# Altium PCB PCB.PcbDoc (continued)
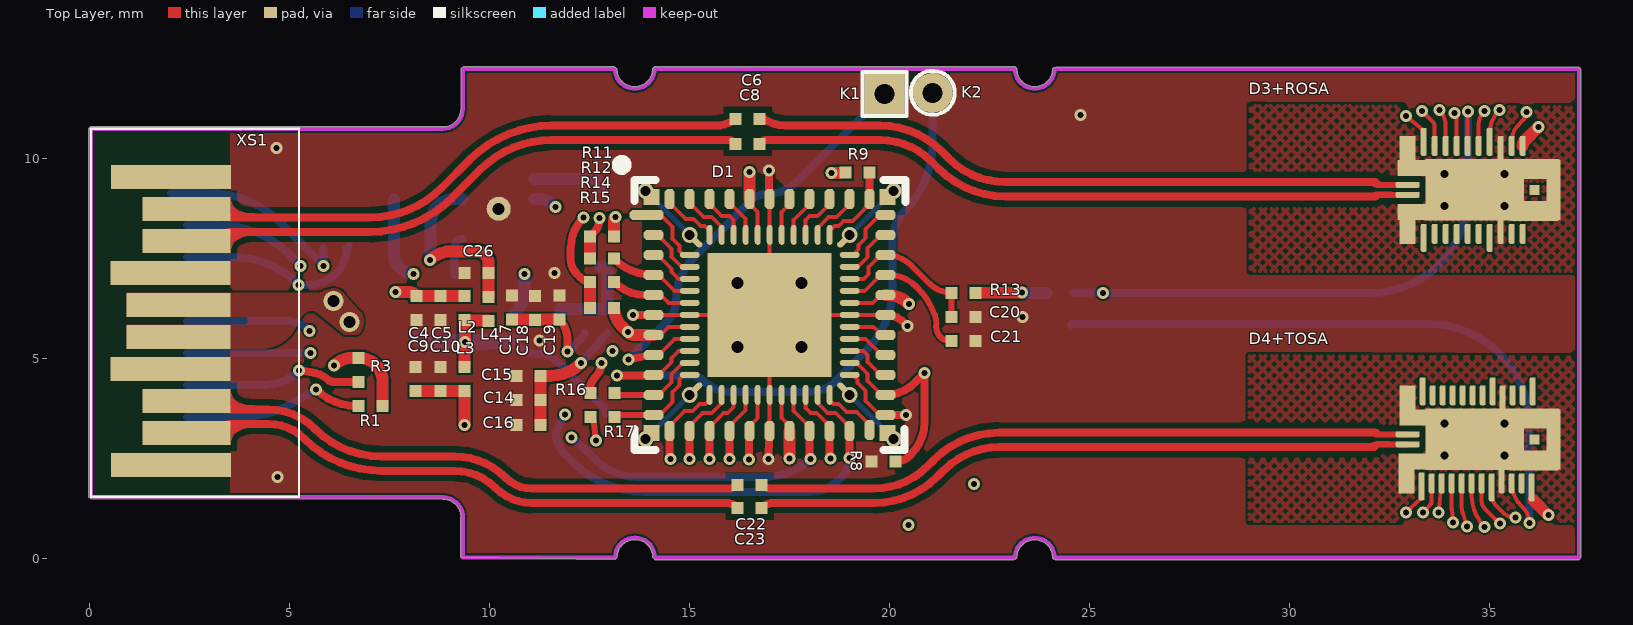
[diagram p0: Top Layer view]
## Footprints (in the part's own frame and the unit in brackets; to place one, negate y for a bottom-side part, rotate by r counter-clockwise, add the part's x,y. Pads: shape width x height; smd on the part's side, far side on the other; paste and mask are expansions set on the pad) (continued)
  rrect50% 0.15x0.9 smd paste-2539.97: 18(0.675,-0.9) 33(0.7,0.9)
  rect 1.2x0.5 smd paste-2539.97: 22(1.5,-0.525) 29(1.525,0.525)
  body extent -1.23,-0.77 1.2,0.77, height 0.15
"IND: 0201" [mm]
  rect 0.3x0.3 smd: 1(-0.3,0) 2(0.3,0)
  body extent -0.3,-0.15 0.3,0.15, height 0.3
"IND: 0805" [mm]
  rect 1x1.25 smd: 1(-1,0) 2(1,0)
  silkscreen extent -1.7,-0.82 1.7,0.82, body extent -1,-0.62 1,0.63, height 0.85
"RES: 0201" [mm]
  rect 0.3x0.3 smd: 1(-0.3,0) 2(0.3,0)
  body extent -0.3,-0.15 0.3,0.15, height 0.22
"RES: 0402" [mm]
  rect 0.5x0.5 smd: 1(-0.45,0) 2(0.45,0)
  silkscreen extent 0,-0.2 0,0.2, body extent -0.52,-0.25 0.48,0.25, height 0.34
SOT23 [mm]
  rect 1.1x0.6 smd: 1(-1.2,0.95) 2(-1.2,-0.95) 3(1.2,0)
  round 0.5 on Mech1: ""(-0.9,1.1)
  silkscreen extent -1.32,-1.5 0.7,1.92, body extent -1.32,-1.52 1.32,1.52, height 1.12

## Part data
C1 C2 C4 C7 C9 C12 C13 C16 C19 C21: library part "CAP: 4.7 Cer 0201", "4,7μF X5R 6.3V", Manufacturer=Murata, Package=0201, PartNumber=GRM035R60J475ME15J, Temperature=-55...+85°C, Tolerance=±20%, TypeCapacitor="Ceramic capacitor", TypeDielectric=X5R, Voltage="6.3 VDC", HelpURL=https://ru.mouser.com/ProductDetail/Murata-Electronics/GRM035R60J475ME15J?qs=sGAEpiMZZMs0AnBnWHyRQN7%2FAA2D2lPP6sQPxJRN5zWu2rTrhOvC8g%3D%3D, Price 500=$0.262
  C1 C2 C4 C9 C12 C13 C16 C19 C21: ValueManufacturerPartNumber="Ceramic capacitor, 4,7μF, X5R, ±20%, 6.3 VDC, 0201, -55...+85°C"
  C7: ValueManufacturerPartNumber="Ceramic capacitor, 4,7μF NC, X5R, ±20%, 6.3 VDC, 0201, -55...+85°C"
C3 C5 C6 C8 C10 C11 C15 C18 C20 C22 C23: library part "CAP: 0.1 Cer 0201", "0.1μF X7R 16V", Manufacturer="Murata Electronics", Package=0201, PartNumber=GRM033Z71C104ME14D, Temperature=-55...+125°C, Tolerance=±20%, TypeCapacitor="Ceramic capacitor", TypeDielectric=X7R, Voltage=16V, HelpURL=https://ru.mouser.com/ProductDetail/Murata-Electronics/GRM033Z71C104ME14D?qs=sGAEpiMZZMs0AnBnWHyRQB9G40cLJQs4vBUU3ruDkJ1DJi7pR4wF4g%3D%3D, Price1000=$0.017, ValueManufacturerPartNumber="Ceramic capacitor, 0.1μF, X7R, ±20%, 16V, 0201, -55...+125°C"
C14 C17: library part "CAP: 1000 Cer 0201", "1nF X7R 25V", Manufacturer=Yageo, Package=0201, PartNumber=CC0201KRX7R8BB102, Temperature=-55...+125°C, Tolerance=±10%, TypeCapacitor="Ceramic capacitor", TypeDielectric=X7R, Voltage=25V, HelpURL=https://ru.mouser.com/ProductDetail/Yageo/CC0201KRX7R7BB103?qs=Jp%252B3Pqv7Js285%252ByjXsg3lQ%3D%3D, Price1000=$0.01, ValueManufacturerPartNumber="Ceramic capacitor, 1nF, X7R, ±10%, 25V, 0201, -55...+125°C"
C24: library part "CAP: 560 Cer 0201", "560pF X7R 16V", Manufacturer=Yageo, Package=0201, PartNumber=CC0201KRX7R9BB561, Temperature=-55...+125°C, Tolerance=±10%, TypeCapacitor="Ceramic capacitor", TypeDielectric=X7R, Voltage=50V, HelpURL=https://ru.mouser.com/ProductDetail/YAGEO/CC0201KRX7R9BB561?qs=r5DSvlrkXmJYNk3WPluXZA%3D%3D, Price1000=$0.011, ValueManufacturerPartNumber="Ceramic capacitor, 560pF, X7R, ±10%, 50V, 0201, -55...+125°C"
C25 C26: library part "CAP: 1 Cer 0201", "1μF X6S 6.3V", Manufacturer=Murata, Package=0201, PartNumber=GRM033C80J105ME05D, Temperature=-55...+105°C, Tolerance=±20%, TypeCapacitor="Ceramic capacitor", TypeDielectric=X6S, Voltage="6.3 VDC", HelpURL=https://www.mouser.com/ProductDetail/Murata-Electronics/GRM033C80J105ME05D?qs=P8zzrVhehaso8Xg5mhsu3Q%3D%3D, Price 500=$0.068, ValueManufacturerPartNumber="Ceramic capacitor, 1μF, X6S, ±20%, 6.3 VDC, 0201, -55...+105°C"
D1: library part "MCU: K1921VK035", "100 MHz 64 kB flash 16 kB RAM  QFP-48(МК 5162.48-1) DIE case. (LM4F132) 32bit RISC Microcontroller,ARM Cortex M4F", Manufacturer_Name="Silicon Labs", Manufacturer_Part_Number=EFM8UB20F64G-B-QFP48R, Mouser Part Number=634-EFM8UB64GBQFP48R, Package="QFP48 7x7)", RS Part Number=8232148P, Datasheet Link=http://www.silabs.com/documents/public/data-sheets/C8051F39x-37x.pdf, Geometry.Height=0.8mm, Mouser Price/Stock=https://www.mouser.com/Search/Refine.aspx?Keyword=634-C8051F390-A-GM, RS Price/Stock=http://uk.rs-online.com/web/p/products/8232148P
D2: library part "IC: MIC23050-GYML", "PWM Buck Regulator"
D3+ROSA: library part "IC: MATA37644", "28 Gb/s DIA CDR with TIA/LA Integrated"
D4+TOSA: library part "IC: MALD37645", "28 Gb/s DIA VCSEL driver/CDR with input Equalizer"
K1: library part "CON: TP Square", Price=0.01
K2: library part "CON: TP round", Price=0.01
L1 L2 L3 L4 L5 L6: library part "IND: FB_220R 0201", "FB 220R 800ma", Manufacturer_Name="Murata Electronics", Manufacturer_Part_Number=BLF03VK221SNGD, Max DC Current="800 mA", Max DC Resistance="155 mOhms", Mouser Part Number=81-BLF03VK221SNGD, Package="0201 (0603 metric)", Tolerance="40 %", Datasheet Link=https://www.murata.com/en-us/products/productdetail?partno=BLF03VK221SNG%23, Height=0.33mm, Impedance="220 Ohms", Mouser Price/Stock=$0.069, Part Number=BLF03VK221SNGD
L7: library part "IND: fix-0805 1μH", "1μH (2012 metric) 1.4A Murata Fixed inductor", Manufacturer="Murata Electronics", MaxCurrent="1.4 A", Package=0805, PartNumber=LQM2MPN1R0NG0L, Temperature=-55...+125°C, Tolerance=±30%, TypeInductor="Fixed inductor", HelpURL=https://ru.mouser.com/ProductDetail/Murata-Electronics/LQM2MPN1R0NG0L?qs=%2Fha2pyFaduilj0%252BF1FHGFSHTr62aWyjVPXVGskzQNK4bMrXKRvO5hg%3D%3D, Max impedans DC="107 mOhm", ValueManufacturerPartNumber="Fixed inductor, 1μH, ±30%, 0805, 1.4 A, -55...+125°C"
R1 R3 R6 R9 R10 R11 R13 R15: library part "RES: 10K 1% 0201", "10K 1% 25V", Manufacturer=Yageo, Package=0201, PartNumber=RC0201FR-0710KL, Power=0.05W, Temperature=-55...+125°C, Tolerance=±1%, TypeResistor="Resistor film", HelpURL=https://ru.mouser.com/ProductDetail/YAGEO/RC0201FR-0710KL?qs=FLc6udek5PS1AiJCgpc6bQ%3D%3D
  R1 R3 R6 R9 R11 R13 R15: ValueManufacturerPartNumber="Resistor film, 10K, ±1%, 0201, 0.05W, -55...+125°C"
  R10: ValueManufacturerPartNumber="Resistor film, 8,06К, ±1%, 0201, 0.05W, -55...+125°C"
R2: library part "RES: 220K 1% 0201", "220K 1% 25V", Manufacturer=Yageo, Package=0201, PartNumber=RC0201FR-07220KL, Power=0.05W, Temperature=-55...+125°C, Tolerance=±1%, TypeResistor="Resistor film", HelpURL=https://www.mouser.com/ProductDetail/YAGEO/RC0201FR-07220KL?qs=%2Fha2pyFadugkEjqHygX%252Ba4doELbpMYzKOlQ%252BgaErD1WAP5TlGyL%252BEw%3D%3D, ValueManufacturerPartNumber="Resistor film, 220K NC, ±1%, 0201, 0.05W, -55...+125°C"
R4 R7: library part "RES: 27K 1% 0201", "27K 1% 25V", Manufacturer=Yageo, Package=0201, PartNumber=RC0201FR-1327KL, Power=0.05W, Temperature=-55...+125°C, Tolerance=±1%, TypeResistor="Resistor film", HelpURL=https://www.digikey.com/product-detail/en/yageo/RC0201JR-07100RL/311-100NCT-ND/1949006, ValueManufacturerPartNumber="Resistor film, 30K, ±1%, 0201, 0.05W, -55...+125°C"
R5: library part "RES: 0402 0R", "0 Ohm 50V 5%", Manufacturer=Yageo, Package=0402, PartNumber=RC0402JR-070RL, Power=0.063W, Temperature=-55...+125°C, Tolerance=±5%, TypeResistor="Resistor film", HelpURL=https://ru.mouser.com/ProductDetail/YAGEO/RC0402JR-070RL?qs=%2Fha2pyFadugNN0LzwXn2qP7HsQ9BBU71VWxeSOFlFaYv9aVJHghTrg%3D%3D, ValueManufacturerPartNumber="Resistor film, 0R, ±5%, 0402, 0.063W, -55...+125°C"
R8: library part "RES: 1K 1% 0201", "1K 1% 25V", Manufacturer=Yageo, Package=0201, PartNumber=RC0201FR-071KL, Power=0.05W, Temperature=-55...+125°C, Tolerance=±1%, TypeResistor="Resistor film", HelpURL=https://ru.mouser.com/ProductDetail/YAGEO/RC0201JR-071KL?qs=V1yeUXFNrklkaJ2L0z8I%252BA%3D%3D, ValueManufacturerPartNumber="Resistor film, 1K, ±1%, 0201, 0.05W, -55...+125°C"
R12 R14 R16 R17: library part "RES: 100R 0201", "100 Ohm 25V", Manufacturer=Yageo, Package=0201, PartNumber=RC0201JR-07100RL, Power=0.05W, Temperature=-55...+125°C, Tolerance=±5%, TypeResistor="Resistor film", HelpURL=https://www.digikey.com/product-detail/en/yageo/RC0201JR-07100RL/311-100NCT-ND/1949006, ValueManufacturerPartNumber="Resistor film, 100R, ±5%, 0201, 0.05W, -55...+125°C"
VT1: library part "TRANSISTOR: CT2301-R3", "MOSFET 1 P-ch VDSS=-20V 3A 0.1Ohm", DC current=3A, Low ON-resistance:RDS(ON)="85 mOhms", Manufacturer_Name="CT Micro", Datasheet Link=https://semiconductors.es/datasheet-pdf/1435125/CT2301-R3.html, Height=0.75mm
XS1: library part "CON: SFP+", "SFP MSA pluggable connector"

## Via types
v1: diameter 0.3, hole 0.15, Top Layer to Bottom Layer, tented both sides, 75 vias
v2: diameter 0.5, hole 0.3, Top Layer to Bottom Layer, tented both sides, 2 vias

## Nets (pads, with @x,y where several pads share a name; then routed paths per layer and width w, separated by ;. In a path a pad name is that pad's centre, name@x,y a point inside that pad or via, vN(x,y) a via of type N, cw(c..) or ccw(c..) an arc to the next point about the centre after c; other vN are vias at no path point)
GND: C1.1 C2.1 C3.1 C4.1 C5.1 C9.1 C10.1 C11.2 C12.2 C13.1 C14.1 C15.1 C16.2 C17.1 C18.1 C19.2 C20.2 C21.1 C25.2 C26.2 D1.0 D1.6 D1.18 D1.25 D1.30 D1.36 D1.42 D2.0 D2.6 D2.8 D3+ROSA.0@33.875,8.825 D3+ROSA.0@33.875,9.625 D3+ROSA.0@34.625,9.225 D3+ROSA.0@35.375,8.825 D3+ROSA.0@35.375,9.625 D3+ROSA.0@36.6,9.225 D3+ROSA.3 D3+ROSA.6 D3+ROSA.9 D3+ROSA.18 D3+ROSA.21 D3+ROSA.28 D3+ROSA.31 D3+ROSA.40 D4+TOSA.0@33.875,2.586 D4+TOSA.0@33.875,3.386 D4+TOSA.0@34.625,2.986 D4+TOSA.0@35.375,2.586 D4+TOSA.0@35.375,3.386 D4+TOSA.0@36.6,2.986 D4+TOSA.3 D4+TOSA.6 D4+TOSA.9 D4+TOSA.18 D4+TOSA.22 D4+TOSA.29 D4+TOSA.33 D4+TOSA.42 R2.2 R4.2 R7.2 R8.1 R10.1 XS1.1 XS1.6 XS1.10 XS1.11 XS1.14 XS1.17 XS1.20 | length 3.1
  Top Layer w0.2: v1(13.585,6.091) 13.95,6.091 D1.6@14.1,6.096 ; v1(16.975,2.499) 16.979,3.046 D1.18@17,3.196 ; v1(16.985,9.703) 16.985,9.146 D1.42@17,8.996 ; D1.25@19.9,3.596 20.05,3.597 v1(20.404,3.597) ; D1.30@19.9,6.096 cw(c19.9,5.455) 20.353,5.908 v1(20.44,5.821)
  other v1: 4.7,2.05 11.245,5.454 23.325,6.05 11.625,7.15 4.675,10.275 24.775,11.1
IC_RS0: D1.16 D3+ROSA.33 | length 25.6
  Top Layer w0.1: D3+ROSA.33 34.725,10.856 cw(c35.196,10.856) v1(34.863,11.189)
  Top Layer w0.2: v1(15.991,2.495) 15.991,3.046 D1.16@16,3.196
  Signal Layer 1 w0.2: v1(15.991,2.495) 20.65,7.125 cw(c21.797,5.978) 21.797,7.6 33.737,7.6 ccw(c33.738,8.62) 34.459,7.899 ccw(c33.502,8.866) 34.46,7.9 ccw(c33.502,8.866) 34.863,8.866 v1(34.863,11.189)
IC_RS1: D1.17 D4+TOSA.15 | length 21
  Top Layer w0.1: D4+TOSA.15 34.55,1.57 ccw(c35.644,1.57) v1(34.87,0.797)
  Top Layer w0.2: v1(16.486,2.487) 16.486,3.046 D1.17@16.5,3.196
  Signal Layer 1 w0.2: v1(16.486,2.487) 16.674,2.3 ccw(c16.975,2.601) 16.975,2.175 17.103,2.175 cw(c17.103,1.578) 17.525,2 ccw(c18.607,3.082) 18.607,1.552 18.95,1.552 34.115,1.552 cw(c34.115,0.797) v1(34.87,0.797)
IC_SCL: D3+ROSA.38 D4+TOSA.11 R11.2 R12.1 | length 35
  Top Layer w0.1: v1(33.307,11.195) 33.555,10.947 33.581,10.921 cw(c33.475,10.815) 33.625,10.815 D3+ROSA.38 ; v1(33.334,1.151) 33.524,1.363 ccw(c33.45,1.43) 33.55,1.43 D4+TOSA.11
  Top Layer w0.2: R11.2 12.591,8.141 ccw(c12.206,8.525) v1(12.75,8.525)
  Top Layer w0.3: R12.1 12.509,7.507 R11.2
  Signal Layer 1 w0.2: v1(12.75,8.525) cw(c13.414,8.525) 12.944,8.994 13.281,9.331 cw(c15.077,7.535) 15.077,10.075 32.17,10.075 ccw(c32.17,11.355) 33.075,10.45 ccw(c32.514,11.011) 33.307,11.011 v1(33.307,11.195)
  Signal Layer 2 w0.2: v1(33.307,11.195) 33.307,10.498 cw(c33.027,10.498) 33.225,10.3 ccw(c33.889,9.636) 32.95,9.636 32.95,2.583 ccw(c33.633,2.583) 33.15,2.1 cw(c32.706,1.656) 33.332,1.701 cw(c32.706,1.656) 33.332,1.699 cw(c33.133,1.686) 33.333,1.686 v1(33.334,1.151)
IC_SDA: D3+ROSA.37 D4+TOSA.12 R14.1 R15.2 | length 38.7
  Top Layer w0.1: v1(33.716,1.151) 33.775,1.686 D4+TOSA.12 ; v1(33.738,11.214) cw(c33.347,10.823) 33.9,10.823 D3+ROSA.37
  Top Layer w0.2: v1(12.339,8.525) ccw(c13.098,7.766) 12.025,7.766 12.025,7.487 ccw(c12.537,7.487) 12.175,7.125 12.294,7.006 ccw(c12.509,7.221) R14.1
  Top Layer w0.3: R15.2 R14.1
  Signal Layer 1 w0.2: v1(12.339,8.525) 12.339,8.283 ccw(c13.058,8.283) 12.55,7.775 ccw(c13.938,9.163) 13.938,7.2 15.251,7.2 ccw(c15.251,8.526) 16.188,7.588 16.775,8.175 cw(c17.998,6.953) 17.998,8.682 31.632,8.682 ccw(c31.632,10.793) 33.125,9.3 ccw(c31.645,10.78) 33.738,10.78 v1(33.738,11.214)
  Signal Layer 2 w0.2: v1(33.716,1.151) 33.716,1.825 ccw(c33.15,1.825) 33.55,2.225 cw(c33.912,2.587) 33.4,2.587 33.4,9.798 cw(c33.827,9.798) 33.525,10.1 ccw(c33.011,10.614) 33.738,10.614 v1(33.738,11.214)
NetC7_1: C7.1 R2.1 VT1.1
NetC13_2: C13.2 L1.1 L2.1 L3.1 L4.1 R5.1 VT1.3 | length 7.2
  Top Layer w0.3: L3.1 v1(9.376,5.419) L2.1 ccw(c9.493,6.251) 9.493,5.951 L4.1
  Bottom Layer w0.2: L1.1 10.706,5.319 ccw(c11.175,5.789) 11.175,5.125 cw(c11.175,4.34) 11.73,4.895 12.848,3.777 cw(c12.705,3.633) VT1.3
  Bottom Layer w0.4: R5.1 ccw(c8.48,5.78) 8.48,5.419 v1(9.376,5.419) 9.901,5.419 ccw(c9.901,5.524) C13.2 L1.1
NetC14_2: C14.2 C15.2 C16.1 D3+ROSA.32 D3+ROSA.39 L5.2 | length 31.9
  Top Layer w0.1: v1(32.906,11.067) 33.325,10.725 D3+ROSA.39 ; D3+ROSA.32 35,10.639 cw(c35.813,10.639) v1(35.238,11.214)
  Top Layer w0.3: C16.1 C14.2 C15.2 11.524,4.575 ccw(c11.524,5.643) v1(12.279,4.888)
  Signal Layer 2 w0.2: v1(12.279,4.888) cw(c13.132,4.888) 12.529,5.491 13.504,6.466 cw(c14.25,5.72) 14.25,6.775 ccw(c14.25,7.895) 15.041,7.102 ; 15.042,7.103 cw(c16.242,5.903) 16.242,7.6 25.523,7.6 ccw(c25.523,10.14) 27.319,8.344 30.55,11.575 cw(c30.791,11.334) 30.791,11.675 32.203,11.675 ; v1(32.906,11.067) ccw(c32.54,11.067) 32.799,11.326 32.625,11.5 ccw(c32.203,11.078) 32.203,11.675 ; v1(35.238,11.214) ccw(c34.881,11.214) 35.133,11.467 35.075,11.525 ccw(c34.713,11.163) 34.713,11.675 32.203,11.675
  Bottom Layer w0.2: v1(12.279,4.888) 12.9,5.6 L5.2
NetC17_2: C17.2 C18.2 C19.1 D4+TOSA.10 D4+TOSA.17 L6.2 | length 33.8
  Top Layer w0.1: v1(32.902,1.151) 33.275,1.511 D4+TOSA.10 ; D4+TOSA.17 35.05,1.614 ccw(c35.49,1.614) 35.179,1.303 35.316,1.165 ccw(c35.639,1.488) v1(35.639,1.032)
  Top Layer w0.2: C19.1 cw(c11.267,5.504) 11.94,5.504 v1(11.94,5.182)
  Top Layer w0.3: C17.2 11.741,5.978 C19.1
  Signal Layer 2 w0.2: v1@11.941,5.16 11.95,5.15 11.95,4.5 ccw(c12.312,4.5) 12.056,4.244 13.306,2.994 cw(c12.836,2.525) 13.5,2.525 ccw(c15.311,2.525) 14.03,1.245 14.325,0.95 ccw(c15.834,2.459) 15.834,0.325 21.236,0.325 ccw(c21.236,1.264) 21.9,0.6 cw(c22.624,-0.124) 22.624,0.9 24.496,0.9 cw(c24.496,0.046) 25.1,0.65 ccw(c25.885,1.435) 25.885,0.325 31.4,0.325 ; v1(32.902,1.151) 32.554,0.803 cw(c31.4,1.956) 31.4,0.325 ; v1(35.639,1.032) 35.639,0.689 cw(c35.336,0.689) 35.55,0.475 cw(c35.188,0.837) 35.188,0.325 31.4,0.325
  Bottom Layer w0.2: v1@11.941,5.16 12.335,5.554 ccw(c12.24,5.65) L6.2
NetC20_1: C20.1 D1.33 R13.1 | length 2.6
  Top Layer w0.15: D1.33@19.9,7.596 cw(c19.9,6.69) 20.54,7.331 20.989,6.883 ; 20.989,6.882 ccw(c21.55,7.444) R13.1 C20.1
NetC21_2: C21.2 D1.32 | length 2.6
  Top Layer w0.15: D1.32@19.9,7.096 20.075,7.097 cw(c19.927,6.052) 20.675,6.795 cw(c19.321,5.434) 21.125,6.091 cw(c20.534,5.876) 21.126,6.09 cw(c20.534,5.876) 21.159,5.801 ccw(c21.535,5.807) 21.268,5.542 ccw(c21.48,5.752) 21.475,5.453 C21.2@21.547,5.461
NetC24_2: C24.2 D2.5 | length 1
  Bottom Layer w0.2: C24.2 9.125,7.8 cw(c9.325,7.8) D2.5
NetL7_2: D2.1 L7.2 | length 1.8
  Bottom Layer w0.3: D2.1 12.575,9.5 cw(c12.575,9.3) L7.2
NetR9_1: D1.37 R9.1 | length 0.7
  Top Layer w0.2: R9.1 19.5,9.649 D1.37@19.5,8.996
NetR10_2: D4+TOSA.19 R10.2 | length 16.5
  Top Layer w0.1: D4+TOSA.19 ccw(c36.334,1.886) 35.78,1.331 35.826,1.285 cw(c35.43,0.889) v1(35.99,0.889)
  Bottom Layer w0.2: R10.2 cw(c24.575,5.85) 24.575,5.875 33.45,5.875 cw(c33.45,3.335) 35.99,3.335 v1(35.99,0.889)
NetR12_2: D1.4 R12.2 | length 1.1
  Top Layer w0.2: R12.2 ccw(c14.082,8.479) 14.082,7.096 14.1,7.096 D1.4@14.085,7.111
NetR14_2: D1.5 R14.2 | length 1.1
  Top Layer w0.2: R14.2 ccw(c13.884,7.692) 13.884,6.596 D1.5@14.1,6.596
NetR16_2: D1.10 R16.2 | length 1
  Top Layer w0.15: R16.2 ccw(c13.237,4.263) 13.237,4.096 D1.10@14.1,4.096
NetR17_2: D1.11 R17.2 | length 1
  Top Layer w0.15: R17.2 cw(c13.253,3.408) 13.253,3.596 D1.11@14.1,3.596
NetROSA1_1: 
NetROSA1_2: 
NetROSA1_3: 
NetTOSA1_1: 
NetTOSA1_2: 
RD1_N: C6.1 D3+ROSA.4 | length 16.5
  Top Layer w0.15: 32.217,9.35 D3+ROSA.4
  Top Layer w0.2: C6.1@16.793,11.034 16.8,11.025 16.937,10.947 ; 16.937,10.947 ccw(c17.381,11.729) 17.381,10.83 17.383,10.83 19.75,10.83 cw(c19.75,8.647) 21.293,10.191 21.48,10.005 ccw(c22.903,11.428) 22.903,9.415 32.144,9.415
RD1_P: C8.1 D3+ROSA.5 | length 16.7
  Top Layer w0.15: 32.217,9.1 D3+ROSA.5
  Top Layer w0.2: C8.1 16.794,10.425 cw(c16.92,10.27) 16.919,10.47 19.75,10.47 cw(c19.75,8.647) 21.039,9.936 21.225,9.75 ccw(c22.903,11.428) 22.903,9.055 32.134,9.054 32,9.055 ; 31.976,9.055 cw(c31.975,8.855) 32.014,9.051
RD_N: C6.2 XS1.12 | length 13.6
  Top Layer w0.2: XS1.12@3.375,8.65 3.492,8.533 7.006,8.533 ccw(c7.006,11.073) 8.802,9.277 9.506,9.981 cw(c11.556,7.93) 11.556,10.83 15.6,10.83 15.659,10.83 ccw(c15.659,11.624) 15.976,10.896 16.1,10.95 C6.2
RD_P: C8.2 XS1.13 | length 13.6
  Top Layer w0.2: XS1.13@3.325,8.025 3.473,8.173 7.006,8.173 ccw(c7.006,11.073) 9.057,9.023 9.76,9.726 cw(c11.556,7.93) 11.556,10.47 15.966,10.47 cw(c15.965,10.27) C8.2@16.096,10.421
RS0: D1.20 R4.1 XS1.7 | length 20.3
  Top Layer w0.2: D1.20@18,3.196 18,2.529 ccw(c18.046,2.529) v1(18.013,2.497)
  Signal Layer 2 w0.2: v1(5.225,6.85) ccw(c6.251,6.85) 5.526,6.124 6.415,5.235 ccw(c8.552,7.373) 8.552,4.35 9.673,4.35 cw(c9.673,1.81) 11.467,3.608 ccw(c11.608,3.75) 11.471,3.604 cw(c11.334,3.458) 11.479,3.596 11.652,3.415 11.669,3.398 ccw(c11.886,3.606) 11.676,3.391 v1(12.046,3.029)
  Bottom Layer w0.2: XS1.7 3.536,7.55 cw(c3.536,5.161) v1(5.225,6.85) 5.5,6.85 ccw(c5.5,7.775) R4.1 R4.1@6.475,7.825 ; v1(12.046,3.029) 12.674,2.452 ; 12.675,2.452 cw(c12.539,2.305) 12.679,2.448 ccw(c13.647,3.425) 13.647,2.05 ; 13.648,2.05 16.935,2.05 ccw(c16.935,3.575) v1(18.013,2.497)
RS1: D1.22 R7.1 XS1.9 | length 22.8
  Top Layer w0.2: v1(18.997,2.521) 19,2.524 D1.22@19,3.196
  Signal Layer 2 w0.2: v1(5.85,7.325) 7.381,5.794 ccw(c9.177,7.59) 9.177,5.05 9.423,5.05 cw(c9.423,2.51) 11.216,4.309 ; 11.217,4.308 ccw(c11.358,4.45) 11.219,4.306 cw(c11.079,4.163) 11.224,4.301 v1(11.886,3.606)
  Bottom Layer w0.2: XS1.9@2.939,9.15 XS1.9 2.973,9.15 cw(c2.973,6.61) 4.769,8.406 v1(5.85,7.325) R7.1 ; v1(11.886,3.606) 11.676,3.206 ccw(c11.853,3.113) 11.654,3.095 ccw(c12.418,3.168) 11.654,3.092 ccw(c12.418,3.168) 11.875,2.625 12.099,2.401 ccw(c13.852,4.155) 13.852,1.675 18.036,1.675 ccw(c18.036,2.614) 18.7,1.95 18.804,2.054 ccw(c18.336,2.521) v1(18.997,2.521)
RSSI: D1.26 D3+ROSA.30 R8.2 | length 23.8
  Top Layer w0.1: D3+ROSA.30 35.55,10.445 cw(c36.107,10.445) 35.713,10.839 35.825,10.951 ccw(c35.611,11.164) v1(35.913,11.164)
  Top Layer w0.2: D1.26@19.9,4.096 ccw(c19.9,5.112) 20.619,4.394 v1(20.875,4.65) 20.875,3.445 cw(c19.68,3.445) 20.525,2.6 20.502,2.577 cw(c20.144,2.935) R8.2
  Signal Layer 1 w0.2: v1(20.875,4.65) 23.125,6.9 cw(c23.91,6.115) 23.91,7.225 33.673,7.225 ccw(c33.673,9.765) 35.469,7.969 35.475,7.975 ccw(c34.449,9.001) 35.9,9.001 35.9,11.133 cw(c35.944,11.133) v1(35.913,11.164)
RST_RX: D1.15 D3+ROSA.36 | length 25.8
  Top Layer w0.1: D3+ROSA.36 34.175,10.989
  Top Layer w0.2: v1(15.5,2.5) D1.15@15.5,3.196
  Signal Layer 1 w0.2: v1(15.5,2.5) cw(c18.533,2.5) 16.388,4.644 19.1,7.356 cw(c20.896,5.56) 20.896,8.1 33.401,8.1 ccw(c33.401,9.124) 34.125,8.4 ccw(c33.436,9.089) 34.411,9.089 34.411,10.158 ccw(c34.033,10.158) 34.3,10.425 cw(c34.751,10.876) 34.113,10.876 v1(34.113,11.139)
RST_TX: D1.14 D4+TOSA.13 | length 22.3
  Top Layer w0.1: 34.05,1.246 v1(34.083,0.906) ; 34.05,1.256 D4+TOSA.13
  Top Layer w0.2: v1(15,2.5) D1.14@15,3.196
  Signal Layer 1 w0.2: v1(15,2.5) 15,1.869 ccw(c16.071,1.869) 15.314,1.111 15.325,1.1 ccw(c15.925,1.7) 15.925,0.851 17.425,0.851 ccw(c17.425,1.7) 18.025,1.1 cw(c18.266,0.859) 18.266,1.2 30.955,1.2 cw(c30.955,0.005) 31.8,0.85 ccw(c32.283,1.333) 32.283,0.65 33.465,0.65 ccw(c33.465,1.524) v1(34.083,0.906)
RX_LOS: D1.21 D3+ROSA.34 R6.1 XS1.8 | length 42.4
  Top Layer w0.1: D3+ROSA.34 34.45,10.828 ; 34.45,10.831 v1(34.461,11.178)
  Top Layer w0.2: D1.21@18.5,3.196 18.5,2.562 ccw(c18.573,2.562) v1(18.521,2.51)
  Signal Layer 1 w0.2: v1(5.275,7.325) 5.456,7.144 ccw(c5.925,7.614) 5.925,6.95 6.171,6.95 cw(c6.171,6.096) 6.775,6.7 ccw(c7.563,7.433) 7.563,6.357 11.225,6.357 cw(c11.224,4.42) 12.593,5.79 ; 12.594,5.789 cw(c12.452,5.648) 12.607,5.775 v1(13.074,5.196) ; v1(18.521,2.51) ccw(c19.087,2.51) 19.08,1.945 ccw(c19.378,5.068) 21.597,2.85 ; 21.597,2.85 v1(25.33,6.646)
  Signal Layer 2 w0.2: v1(13.074,5.196) cw(c13.324,4.945) 13.324,5.3 13.725,5.3 cw(c13.725,4.518) 14.278,5.071 14.38,4.968 cw(c12.161,4.369) 14.45,4.153 ccw(c14.649,4.134) 14.507,3.993 14.646,3.854 ccw(c15.199,4.408) 15.199,3.625 15.831,3.625 cw(c15.83,-0.181) v1(18.521,2.51)
  Bottom Layer w0.2: XS1.8 3.198,8.35 cw(c3.198,5.81) 4.994,7.606 v1(5.275,7.325) ; R6.1@24.6,6.652 v1@25.329,6.652 ; v1(25.33,6.646) 32.026,6.646 ccw(c32.026,9.049) 33.725,7.35 ccw(c31.949,9.126) 34.461,9.126 v1(34.461,11.178)
SFP_SCL: R16.1 XS1.5 | length 12
  Top Layer w0.2: R16.1@12.569,4.195 R16.1 12.519,4.269 cw(c12.881,4.269) 12.625,4.525 12.647,4.547 ccw(c12.295,4.898) v1(12.792,4.898)
  Signal Layer 1 w0.2: v1(5.5,5.7) ccw(c6.164,6.364) 6.164,5.425 6.537,5.425 ccw(c6.537,6.723) 7.455,5.805 cw(c8.046,5.214) 8.046,6.05 11.2,6.05 cw(c11.2,4.935) 11.989,5.723 12.315,5.397 12.75,4.962 cw(c12.608,4.821) v1@12.792,4.899
  Bottom Layer w0.2: XS1.5 4.897,5.95 cw(c4.897,5.097) v1(5.5,5.7)
SFP_SDA: R17.1 XS1.4 | length 11.9
  Top Layer w0.15: R17.1 12.596,3.466 v1(12.66,2.963)
  Signal Layer 1 w0.2: v1(5.514,5.147) 10,5.069 10.209,5.069 cw(c10.209,2.784) 11.825,4.4 12.234,3.991 cw(c11.206,2.963) v1(12.66,2.963)
  Bottom Layer w0.2: XS1.4 4.964,5.15 v1(5.514,5.147)
SWCLK: D1.8 K1.1 | length 10.2
  Top Layer w0.2: v1(13.472,4.982) 13.95,5.075 D1.8@14.1,5.096
  Bottom Layer w0.2: v1(13.472,4.982) 14.463,5.973 ccw(c14.011,6.425) 14.65,6.425 cw(c16.229,6.425) 15.112,7.541 ; 15.112,7.541 16.516,8.945 cw(c16.95,8.512) 16.95,9.125 ccw(c16.95,10.151) 17.676,9.426 K1.1
SWDIO: D1.9 K2.1 | length 14.5
  Top Layer w0.2: v1(13.183,4.582) 14.067,4.582 ccw(c14.067,4.629) D1.9@14.1,4.596
  Bottom Layer w0.2: v1(13.183,4.582) 14.663,4.582 ; 14.665,4.582 14.663,4.582 ; K2.1 21.075,10.39 cw(c18.685,10.39) 20.375,8.7 ccw(c21.099,7.976) 20.075,7.976 20.075,6.775 cw(c17.902,6.775) 19.439,5.239 18.622,4.422 cw(c18.025,5.02) 18.025,4.175 15.975,4.175 cw(c15.975,5.02) 15.378,4.422 15.35,4.45 ccw(c15.031,4.131) 15.031,4.582 14.663,4.582
TD1_N: C23.1 D4+TOSA.5 | length 16.5
  Top Layer w0.15: 32.217,2.854 D4+TOSA.5
  Top Layer w0.2: C23.1 cw(c17.09,0.985) 17.09,1.395 19.605,1.395 ccw(c19.605,3.641) 21.193,2.053 21.358,2.217 cw(c22.743,0.832) 22.743,2.791 32.102,2.791
TD1_P: C22.1 D4+TOSA.4 | length 16.5
  Top Layer w0.15: 32.217,3.104 D4+TOSA.4
  Top Layer w0.2: C22.1 ccw(c17.029,2.079) 17.029,1.755 19.605,1.755 ccw(c19.605,3.641) 20.939,2.307 21.103,2.472 cw(c22.743,0.832) 22.743,3.151 32.136,3.151
TD_N: C23.2 XS1.19 | length 13.5
  Top Layer w0.2: XS1.19@3.325,3.225 3.473,3.373 4.458,3.373 cw(c4.458,2.083) 5.37,2.995 ccw(c7.291,4.916) 7.291,2.2 9.108,2.2 cw(c9.108,0.733) 10.145,1.77 ccw(c11.052,2.677) 11.052,1.395 15.91,1.395 cw(c15.91,0.985) C23.2
TD_P: C22.2 XS1.18 | length 13.4
  Top Layer w0.2: XS1.18@3.375,3.85 3.492,3.733 4.458,3.733 cw(c4.458,2.083) 5.625,3.25 ccw(c7.291,4.916) 7.291,2.56 9.108,2.56 cw(c9.108,0.733) 10.4,2.025 ccw(c11.052,2.677) 11.052,1.755 15.971,1.755 ccw(c15.971,2.079) C22.2
TX_DIS: D1.13 D4+TOSA.16 R3.1 XS1.3 | length 38.4
  Top Layer w0.1: D4+TOSA.16 34.8,1.439 ccw(c35.053,1.439) 34.874,1.26 v1@35.249,0.885
  Top Layer w0.2: v1(5.235,4.703) 5.511,4.67 cw(c5.409,3.819) 5.964,4.472 ccw(c6.093,4.625) 6.093,4.425 R3.1 ; D1.13@14.5,3.196 14.5,2.56 ccw(c14.585,2.56) v1(14.525,2.5)
  Signal Layer 1 w0.2: v1(5.235,4.703) 5.235,4.404 ccw(c6.054,4.404) 5.475,3.825 ccw(c7.455,5.805) 7.452,3.005 ; 7.453,3.005 10.46,3.005 cw(c10.46,2.135) 11.075,2.75 ccw(c12.161,3.836) 12.161,2.3 12.888,2.3 ccw(c12.888,2.812) 13.25,2.45 cw(c13.552,2.148) 13.552,2.575 14.344,2.575 cw(c14.344,2.319) v1(14.525,2.5) ; v1@22.109,1.864 24.64,1.864 ; 24.64,1.864 34.281,1.864 cw(c34.281,0.885) v1(35.26,0.885)
  Signal Layer 2 w0.2: v1(14.525,2.5) ccw(c14.766,2.5) 14.596,2.329 ccw(c14.968,2.702) 14.968,2.175 17.498,2.175 cw(c17.498,1.748) 17.8,2.05 ccw(c18.238,2.488) 18.238,1.868 v1(22.104,1.868)
  Bottom Layer w0.2: XS1.3 4.382,4.35 ccw(c4.382,5.556) v1(5.235,4.703)
TX_FAULT: D1.12 D4+TOSA.14 R1.2 XS1.2 | length 36.8
  Top Layer w0.1: D4+TOSA.14 34.3,1.297 ccw(c34.767,1.297) 34.325,1.148 ; 34.325,1.146 v1(34.437,0.804)
  Top Layer w0.2: v1(5.661,4.233) ccw(c6.646,5.219) 6.646,3.825 R1.2 R1.2@6.675,3.875
  Signal Layer 1 w0.2: v1(5.661,4.233) ccw(c7.069,5.641) 7.069,3.65 10.28,3.65 cw(c10.28,2.455) 11.125,3.3 11.287,3.138 ccw(c12.525,4.375) 12.525,2.625 12.653,2.625 ccw(c12.653,3.222) 13.075,2.8 cw(c13.548,2.327) 13.548,2.996 D1.12@13.9,2.996 ; v1(20.475,0.85) 30.746,0.85 cw(c30.746,-0.004) 31.35,0.6 ccw(c32.101,1.351) 32.101,0.289 33.986,0.289 ccw(c33.986,0.74) 34.437,0.74 v1(34.437,0.804)
  Signal Layer 2 w0.2: D1.12@13.9,2.996 ccw(c16.063,2.996) 14.534,1.466 ccw(c15.861,2.537) 15.861,0.831 v1@20.475,0.831
  Bottom Layer w0.2: XS1.2 3.432,3.55 3.834,3.55 ccw(c3.832,5.96) 5.038,3.874 v1(5.661,4.233)
VCC18: C24.1 C25.1 D2.4 L5.1 L6.1 L7.1 | length 2.3
  Bottom Layer w0.3: C25.1 L5.1 12.95,7.125 ccw(c12.775,7.125) L7.1
VCC33: C1.2 C2.2 C3.2 D1.7 D1.19 D1.24 D1.31 D1.43 L1.2 R1.1 R3.2 R6.2 R9.2 R11.1 R13.2 R15.1 | length 11.3
  Top Layer w0.3: v1(6.107,4.831) cw(c6.576,4.361) 6.576,5.025 R3.2 cw(c6.725,4.425) 7.325,4.425 R1.1 ; R15.1 ccw(c13.747,6.272) 13.296,5.82 v1(13.451,5.666) ccw(c13.618,5.833) 13.618,5.596 D1.7@14.1,5.596 ; R11.1 13.109,8.451 cw(c13.249,8.451) v1(13.15,8.55) ; D1.43@16.5,8.996 v1(16.5,9.675) ; v1(17.497,2.502) 17.5,2.505 D1.19@17.5,3.196 ; v1(18.55,9.65) 18.725,9.65 ; D1.31@19.9,6.596 19.934,6.596 cw(c19.934,5.827) v1(20.478,6.371) ; R13.2 v1(23.309,6.657)
  Bottom Layer w0.3: C3.2 C1.2 C2.2 7.611,7.614 ccw(c8.1,7.614) v1(8.1,7.125) ; L1.2 ccw(c9.851,6.774) 10.875,6.774 v1(10.875,7.124) ; v1@23.325,6.65 R6.2@23.925,6.65
VCC33_RX: C4.2 C5.2 D3+ROSA.29 L2.2 | length 32.7
  Top Layer w0.3: v1(7.65,6.675) 7.934,6.675 cw(c7.934,6.334) C4.2 C5.2 L2.2 ; D3+ROSA.29 cw(c36.012,10.325) 35.88,10.457 v1(36.215,10.792)
  VCC w0.5: v1(7.65,6.675) ccw(c7.958,7.069) 7.956,6.569 13.563,6.569 ccw(c13.561,9.489) 13.564,6.569 ccw(c13.561,9.489) 15.43,7.246 18.117,9.933 cw(c18.762,9.287) 18.762,10.2 35.678,10.2 ccw(c35.678,10.797) 36.1,10.375 ccw(c35.823,10.652) 36.215,10.652 v1(36.215,10.792)
VCC33_TX: C9.2 C10.2 D4+TOSA.21 L3.2 | length 31.6
  Top Layer w0.3: C9.2 C10.2 L3.2 v1(9.375,3.35) ; D4+TOSA.21@36.096,1.474 ccw(c36.131,1.474) 36.106,1.449 v1(36.464,1.091)
  VCC w0.5: v1(9.375,3.35) 9.656,3.631 cw(c11.15,2.138) 11.15,4.25 12.282,4.25 cw(c12.282,3.482) 12.825,4.025 ccw(c13.922,5.122) 13.922,3.571 19.448,3.571 ccw(c19.448,3.927) 19.7,3.675 19.966,3.941 cw(c20.35,3.557) 20.35,4.1 21.228,4.1 cw(c21.228,2.9) 22.077,3.748 23.406,2.419 ccw(c24.66,3.672) 24.66,1.9 24.661,1.9 35.792,1.9 cw(c35.792,1.217) 36.275,1.7 cw(c35.819,1.244) 36.464,1.244 v1(36.464,1.091)
VCC33P: C26.1 D2.2 D2.7 L4.2 | length 5.4
  Top Layer w0.3: v1(8.503,7.465) cw(c9.038,6.929) 9.038,7.686 9.675,7.686 cw(c9.675,7.386) 9.975,7.386 L4.2
  Bottom Layer w0.3: v1(8.503,7.465) ccw(c8.503,7.487) 8.525,7.487 8.525,8.4 cw(c9.125,8.4) 9.125,9 D2.7 D2.7@9.175,9 ; D2.2 11.167,9 cw(c11.167,8.317) v1(11.65,8.8)
VCC33SFP: C7.2 C11.1 C12.1 R5.2 VT1.2 XS1.15 XS1.16
  other v2: 6.497,5.924 6.1,6.45
pads on no net: D1. D1.1 D1.2 D1.3 D1.23 D1.27 D1.28 D1.29 D1.34 D1.35 D1.38 D1.39 D1.40 D1.41 D1.44 D1.45 D1.46 D1.47 D1.48 D2. D2.3 D3+ROSA.0@36.125,9.225 D3+ROSA.10 D3+ROSA.11 D3+ROSA.12 D3+ROSA.13 D3+ROSA.15 D3+ROSA.16 D3+ROSA.17 D3+ROSA.19 D3+ROSA.20 D4+TOSA.0@36.125,2.986 D4+TOSA.20 D4+TOSA.30 D4+TOSA.31 D4+TOSA.32 D4+TOSA.34 D4+TOSA.35 D4+TOSA.36 D4+TOSA.37 D4+TOSA.38 D4+TOSA.39 D4+TOSA.40 D4+TOSA.41 VT1.

## Polygon pours and split planes (outlines as drawn)
GND on Top Layer "GND_L01_P015" (solid, remove dead copper, pour order 15): 37.282,12.248 37.282,0.033 3.513,0.033 3.513,12.257
GND on Top Layer "GND_L01_P001" (hatched 45Degree grid 0.2 track 0.1, remove dead copper, pour order 1): 28.992,5.069 28.992,0.944 37.203,0.944 37.208,0.949 37.208,5.031
GND on Top Layer "GND_L01_P000" (hatched 45Degree grid 0.2 track 0.1, remove dead copper, pour order 0): 29.019,11.325 29.019,7.2 37.231,7.2 37.235,7.204 37.235,11.286 37.236,11.286
VCC33SFP on Top Layer "VCC33SFP_L01_P004" (solid, pour order 4): 0.925,6.65 5.718,6.656 5.811,6.675 5.878,6.709 6.03,6.755 ccw(c5.967,7.029) 6.041,6.758 ccw(c6.031,7.415) 6.106,6.762 ccw(c6.467,8.735) 6.203,6.747 6.269,6.719 6.333,6.671 6.34,6.667 6.351,6.65 6.377,6.613 6.423,6.547 6.714,6.222 6.813,6.137 6.834,6.056 6.849,6.002 6.844,5.851 6.842,5.831 6.824,5.78 6.768,5.645 6.783,5.683 6.754,5.631 6.705,5.605 6.628,5.595 6.597,5.595 6.568,5.595 6.518,5.595 6.363,5.595 5.633,6.183 3.844,6.2 ccw(c3.842,5.714) 3.497,6.056 cw(c3.466,6.131) 3.465,6.05 0.925,6.05
VCC33SFP on Top Layer "VCC33SFP_L01_P008" (solid, pour order 8): 5.078,5.787 5.213,5.923 5.219,5.978 5.363,6.123 cw(c5.55,5.936) 5.55,6.2 5.55,6.279 ccw(c5.379,6.279) 5.5,6.4 5.025,6.4 ccw(c5.025,6.3) 4.925,6.3 4.925,5.875
VCC33SFP on Top Layer "VCC33SFP_L01_P006" (solid, pour order 6): 3.75,5.85 3.85,5.85 ccw(c3.85,5.95) 3.95,5.95 3.95,6 ccw(c3.9,6) 3.9,6.05 3.491,6.05 cw(c3.638,6.053) 3.638,6.2 5.25,6.2 cw(c4.3,6.2) 4.3,5.25 3.75,5.25
VCC33SFP on Top Layer "VCC33SFP_L01_P005" (solid, pour order 5): 0.925,5.85 3.75,5.85 3.75,5.25 0.925,5.25
GND on Bottom Layer "GND_L06_P014" (solid, remove dead copper, pour order 14): 37.282,12.248 37.282,0.033 3.5,0.033 3.5,12.257
VCC18 on Bottom Layer "VCC18_L06_P021" (solid, pour order 21): 9.575,6.951 9.575,7.247 10.152,7.812 cw(c10.954,7.01) 10.954,8.144 11.296,8.144 11.299,8.147 12.553,8.147 cw(c12.553,6.952) 13.398,7.797 13.397,7.796 13.397,6.802 12.167,6.802 12.159,6.81 12.159,7.135 12.15,7.144 ccw(c12.108,7.159) 12.136,7.196 12.126,7.206 ccw(c12.088,7.19) 12.103,7.228 12.028,7.35 10.922,7.35 10.911,7.324 10.908,7.324 ccw(c10.909,7.331) 10.911,7.324 ccw(c11.365,7.14) 10.875,7.135 10.614,6.951 cw(c10.613,6.948) 10.616,6.949 10.387,6.949
NetC7_1 on Bottom Layer "NETC7_1_L06_P019" (solid, pour order 19): 8.075,2.575 ccw(c8.679,3.179) 8.679,2.325 11.125,2.325 11.125,2.95 11.112,3.038 9.67,3.042 9.571,2.95 9.151,2.95 cw(c9.151,3.557) 8.722,3.128 8.375,3.475 8.075,3.475 8.375,3.475 8.075,3.475
VCC33SFP on Bottom Layer "VCC33SFP_L06_P018" (solid, pour order 18): 6.25,6.725 6.925,5.875 7.875,4.975 11.075,4.946 11.075,4.125 10.025,4.125 9.875,4.375 8.725,4.375 8.575,4.275 8.499,4.275 8.475,4.175 8.474,3.674 7.971,3.671 7.325,4.3 7.875,4.275 7.325,4.3 5.625,6.175 5.625,6.65 5.95,6.725
GND on Signal Layer 1 "GND" (solid, pour order 17): 0.025,10.744 0.025,1.55 4.875,1.55 4.875,10.744
no net on Top Solder (solid): 37.213,5.1 28.888,5.1 28.888,0.875 37.213,0.875
no net on Top Solder (solid): 37.225,11.35 28.9,11.35 28.9,7.125 37.225,7.125
VCC33 on VCC "VCC33_L05_P012" (solid, remove dead copper, pour order 12): 37.282,12.248 37.282,0.033 0.005,0.033 0.005,12.258
GND on Bottom Solder "NONET_L06_P-001" (solid): 32.813,3.85 36.838,3.85 36.838,2.125 32.813,2.125
GND on Bottom Solder "NONET_L06_P-001" (solid): 32.825,10.1 36.85,10.1 36.85,8.375 32.825,8.375
no net on Bottom Solder (solid): 15.447,7.65 18.55,7.65 18.55,4.55 15.403,4.55
VCC33P on Signal Layer 2 "VCC33P_L04_P003" (solid, pour order 3): 11.6,9.325 11.85,9.075 11.856,8.631 9.756,7.267 8.797,7.267 8.434,7.264 8.323,7.375 8.15,7.548 8.15,8.119 9.875,9.325
GND on GND "GND_L02_P013" (solid, remove dead copper, pour order 13): 37.282,12.248 37.282,0.033 0.005,0.033 0.005,12.258

## Keep-outs
Keep-Out Layer:
  lines w0.1: 0.025,1.549 0.025,10.748 8.825,10.748 ; 0.029,1.546 8.83,1.539 cw(c8.827,1.032) 9.335,1.032 ; 8.825,10.744 ccw(c8.825,11.252) 9.332,11.249 9.332,12.248 ; 9.325,1.032 9.325,0.037 13.129,0.037 ; 9.341,12.247 13.125,12.247 ; 13.125,12.25 ccw(c13.625,12.25) 14.125,12.25 23.125,12.25 ccw(c23.625,12.25) 24.125,12.25 ; 13.129,0.04 cw(c13.629,0.031) 14.129,0.031 23.125,0.031 ; 23.125,0.025 cw(c23.625,0.025) 24.125,0.025 ; 24.125,0.028 37.229,0.028 37.229,12.242 24.125,12.242

## Other copper
Top Layer:
  region net TD1_N: 32.518,2.932 32.161,2.932 ccw(c32.161,2.666) 31.973,2.854 31.973,2.727 32.175,2.727 32.271,2.823
  region net TD1_P: 32.542,3.032 32.184,3.032 cw(c32.184,3.298) 31.996,3.11 31.996,3.237 32.199,3.237 32.295,3.141
  region net RD1_P: 32.539,9.178 32.181,9.178 ccw(c32.181,8.912) 31.993,9.1 31.993,8.973 32.195,8.973 32.292,9.069
  region net RD1_N: 32.561,9.274 32.204,9.274 cw(c32.204,9.539) 32.016,9.352 32.016,9.478 32.218,9.478 32.314,9.382
  pour cut-out: 13.8,9.3 13.8,2.934 17.004,2.922 20.2,2.934 20.2,9.3
  pour cut-out: 15.941,11.175 15.941,10.175 16.959,10.175 16.959,11.175
  pour cut-out: 16.016,2.05 16.016,1.05 17.034,1.05 17.034,2.05
GND:
  pour cut-out: 1.201,9.178 1.201,7.504 3.601,7.504 3.601,9.178
  pour cut-out: 1.201,4.378 1.201,2.704 3.601,2.704 3.601,4.378
  pour cut-out: 15.94,11.175 15.94,10.175 16.96,10.175 16.96,11.175
  pour cut-out: 16.015,2.05 16.015,1.05 17.035,1.05 17.035,2.05

## Silkscreen, mask and mechanical layers (free items; w line width, h text height)
Top Solder:
  rectangle: -0.005,1.474 3.525,10.824
Bottom Solder:
  rectangle: -0.02,1.474 3.525,10.824